# KiCad board solderCurved.kicad_pcb (continued)
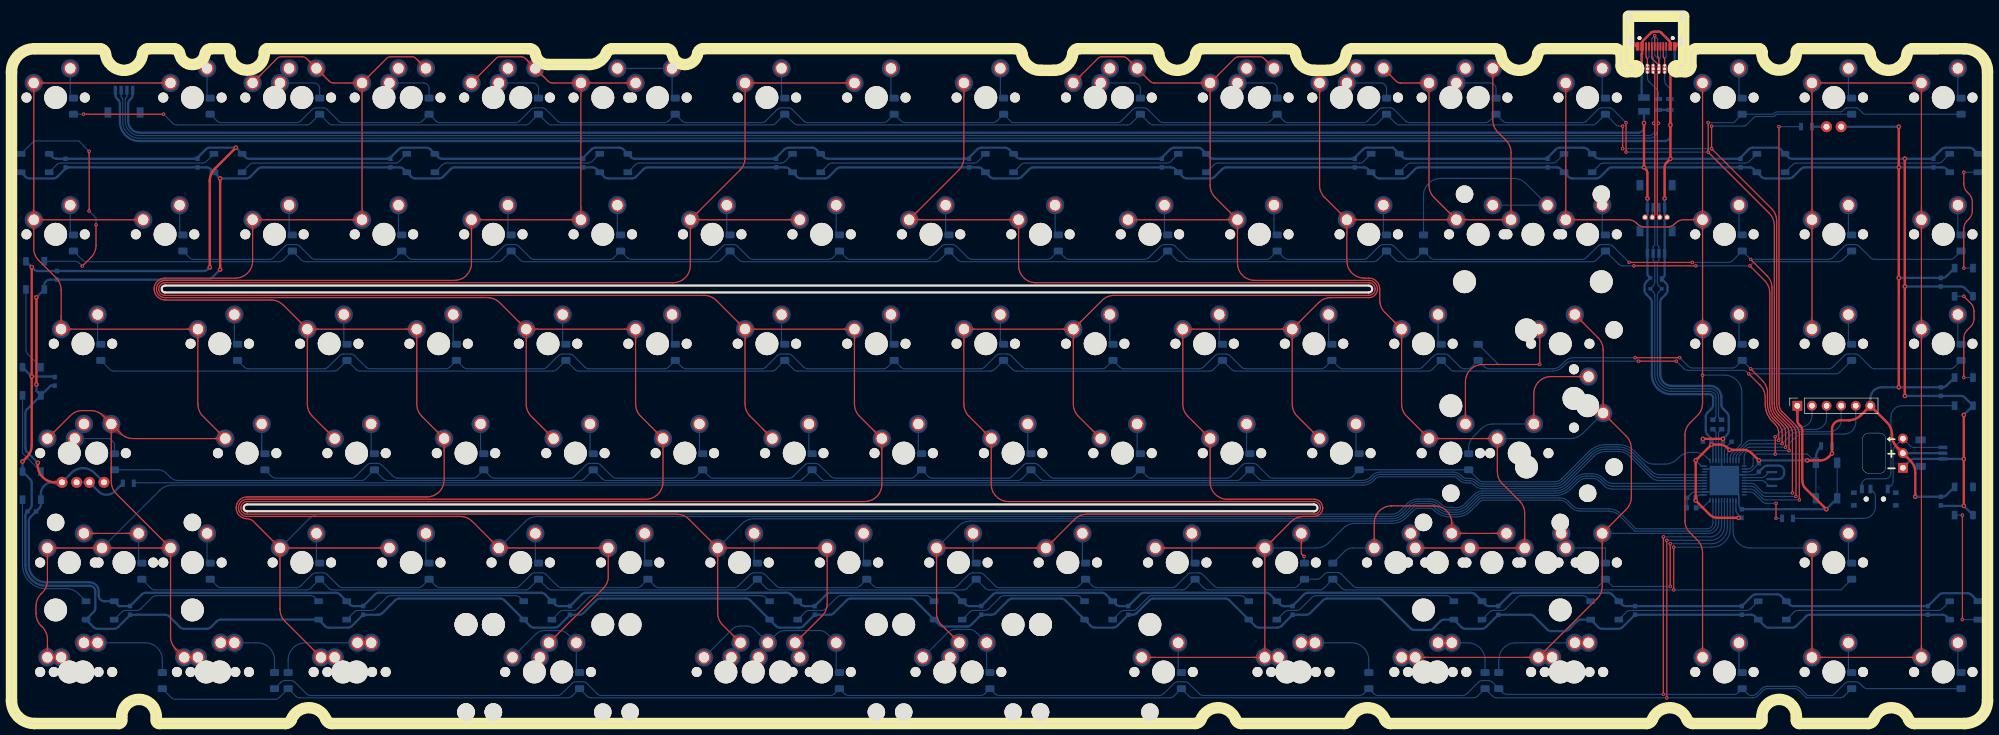
[diagram p0: board, top side]
## Copper pours and planes (outline as drawn; the poured copper is in the pictures) (continued)
GND on Top: 282.83,118.25 282.46,118.97 281.81,118.99 281.83,118.34 282.55,117.97
GND on Top: 281.79,119.8 281.54,119.03 281.99,118.56 282.44,119.03 282.19,119.8
GND on Bottom: 54.3,17.53 53.93,18.25 53.28,18.27 53.29,17.62 54.02,17.25
GND on Bottom: 141.91,98.56 141.34,99.34 140.69,99.36 140.73,98.7 141.8,98.18
GND on Bottom: 39.3,99.74 39.67,99.02 40.32,99 40.3,99.65 39.58,100.02
GND on Bottom: 290.07,117.97 290.79,118.34 290.81,118.99 290.16,118.97 289.79,118.25
GND on Bottom: 290.83,122 291.08,122.77 290.63,123.24 290.18,122.77 290.43,122
GND on Bottom: 273.92,17.89 274.7,17.64 275.16,18.09 274.7,18.54 273.92,18.29
GND on Bottom: 309.79,98.56 309.22,99.34 308.57,99.36 308.61,98.7 309.68,98.18
GND on Bottom: 293.87,40.19 294.08,40.19 294.28,40.18 294.47,40.17 294.65,40.17 294.81,40.15 294.97,40.14 295.12,40.12 295.26,40.11 295.4,40.09 295.53,40.07 295.65,40.05 295.77,40.03 296.46,39.9 296.58,39.87 296.7,39.85 296.82,39.83 296.94,39.82 297.07,39.8 297.21,39.78 297.35,39.77 297.5,39.76 297.66,39.75 297.83,39.74 298.01,39.74 298.2,39.74 299.11,43.22 295.77,43.16 295.72,43.02 295.68,42.88 295.64,42.74 295.6,42.6 295.57,42.47 295.54,42.34 295.46,41.95 295.43,41.83 295.4,41.71 295.37,41.59 295.33,41.48 295.3,41.37 295.26,41.27 295.22,41.17 295.17,41.08 295.12,40.99 295.06,40.91 294.99,40.83 294.92,40.76 294.84,40.69 294.75,40.64 294.66,40.59 294.55,40.54 294.44,40.5 294.32,40.48 294.18,40.45 294.03,40.44 293.87,40.44
GND on Bottom: 276.21,98.56 275.64,99.34 275,99.36 275.03,98.7 276.1,98.18
GND on Bottom: 282.19,122 282.44,122.77 281.99,123.24 281.54,122.77 281.79,122
GND on Bottom: 140.03,99.74 140.4,99.02 141.05,99 141.03,99.65 140.31,100.02
GND on Bottom: 131.13,18.65 131.5,17.93 132.15,17.91 132.13,18.56 131.41,18.93
GND on Bottom: 214.54,18.65 214.91,17.93 215.56,17.91 215.55,18.56 214.82,18.93
GND on Bottom: 173.6,99.74 173.97,99.02 174.62,99 174.61,99.65 173.89,100.02
GND on Bottom: 330.33,45.87 330.28,45.82 330.23,45.78 330.18,45.74 330.14,45.7 330.09,45.67 330.05,45.64 330.01,45.61 329,45.34 328.97,44.23 330.08,44.26 330.35,45.27 330.38,45.31 330.41,45.35 330.44,45.4 330.48,45.44 330.52,45.49 330.56,45.54 330.61,45.59
GND on Bottom: 341.48,99.74 341.85,99.02 342.5,99 342.49,99.65 341.77,100.02
GND on Bottom: 7.6,98.56 7.04,99.34 6.39,99.36 6.42,98.7 7.49,98.18
GND on Bottom: 132.81,17.53 132.44,18.25 131.79,18.27 131.81,17.62 132.53,17.25
GND on Bottom: 304.93,17.53 304.56,18.25 303.91,18.27 303.92,17.62 304.64,17.25
GND on Bottom: 242.64,98.56 242.07,99.34 241.42,99.36 241.46,98.7 242.52,98.18
GND on Bottom: 317.2,38.3 318.01,38.69 318.02,39.41 317.31,39.39 316.92,38.58
GND on Bottom: 106.45,99.74 106.82,99.02 107.47,99 107.46,99.65 106.73,100.02
GND on Bottom: 307.91,99.74 308.28,99.02 308.93,99 308.91,99.65 308.19,100.02
GND on Bottom: 281.79,119.8 281.54,119.03 281.99,118.56 282.44,119.03 282.19,119.8
GND on Bottom: 297.57,47.42 297.57,47.18 297.56,46.97 297.54,46.76 297.51,46.57 297.47,46.39 297.43,46.23 297.39,46.07 297.33,45.92 297.27,45.79 297.21,45.65 297.15,45.53 297.07,45.41 297,45.29 296.92,45.18 296.85,45.07 296.77,44.96 296.6,44.74 296.52,44.63 296.43,44.51 296.35,44.39 296.27,44.27 296.19,44.14 296.11,44 296.04,43.85 295.96,43.7 295.89,43.53 295.83,43.35 295.77,43.17 295.71,42.96 298.45,41.05 300.25,43.86 300.14,44.01 300.02,44.15 299.9,44.28 299.79,44.4 299.67,44.51 299.56,44.62 299.44,44.72 299.33,44.81 299.22,44.9 298.9,45.16 298.8,45.24 298.7,45.32 298.6,45.41 298.51,45.5 298.43,45.59 298.35,45.68 298.27,45.78 298.2,45.88 298.13,45.99 298.07,46.11 298.01,46.23 297.97,46.37 297.92,46.51 297.89,46.67 297.86,46.84 297.84,47.02 297.83,47.21 297.82,47.42
GND on Bottom: 303.04,18.71 303.61,17.93 304.26,17.91 304.22,18.57 303.16,19.09
GND on Bottom: 209.06,98.56 208.49,99.34 207.84,99.36 207.88,98.7 208.95,98.18
GND on Bottom: 290.07,117.97 290.79,118.34 290.81,118.99 290.16,118.97 289.79,118.25
GND on Bottom: 340.63,55.9 341,55.18 341.65,55.16 341.64,55.81 340.91,56.18
GND on Bottom: 216.22,17.53 215.85,18.25 215.21,18.27 215.22,17.62 215.94,17.25
GND on Bottom: 3.36,79.92 2.99,80.64 2.34,80.66 2.35,80.01 3.07,79.64
GND on Bottom: 90.02,17.53 89.65,18.25 89,18.27 89.01,17.62 89.73,17.25
GND on Bottom: 282.98,123.19 282.21,123.44 281.74,122.99 282.21,122.54 282.98,122.79
GND on Bottom: 275.75,17.53 275.39,18.25 274.74,18.27 274.75,17.62 275.47,17.25
GND on Bottom: 340.91,54.5 341.64,54.87 341.65,55.52 341,55.5 340.63,54.78
GND on Bottom: 251.94,17.53 251.57,18.25 250.92,18.27 250.94,17.62 251.66,17.25
GND on Bottom: 294.76,44.19 294.84,44.18 294.91,44.18 294.98,44.16 295.05,44.14 295.11,44.12 295.17,44.09 295.23,44.06 295.28,44.02 295.33,43.98 295.38,43.94 295.42,43.9 295.46,43.85 295.49,43.8 295.53,43.75 295.56,43.69 295.59,43.64 295.61,43.58 295.63,43.52 295.65,43.47 295.67,43.41 295.68,43.35 295.69,43.3 295.7,43.24 295.71,43.19 295.71,43.14 295.71,43.09 295.71,43.04 295.71,42.99 295.7,42.95 295.69,42.91 299.11,41.4 297.6,44.82 296.28,44.54 296.18,44.52 296.08,44.51 295.98,44.5 295.88,44.49 295.77,44.48 295.66,44.47 295.54,44.46 295.42,44.45 295.3,44.45 295.17,44.44 295.04,44.44 294.9,44.44 294.76,44.44
GND on Bottom: 13.82,17.53 13.45,18.25 12.8,18.27 12.81,17.62 13.53,17.25
GND on Bottom: 159.77,18.65 160.14,17.93 160.79,17.91 160.78,18.56 160.05,18.93
GND on Bottom: 1.72,44.86 1.47,44.09 1.92,43.62 2.37,44.09 2.12,44.86
GND on Bottom: 281.79,119.8 281.54,119.03 281.99,118.56 282.44,119.03 282.19,119.8
GND on Bottom: 74.76,98.56 74.19,99.34 73.54,99.36 73.58,98.7 74.64,98.18
GND on Bottom: 274.33,99.74 274.7,99.02 275.35,99 275.34,99.65 274.61,100.02
GND on Bottom: 13.53,18.93 12.81,18.56 12.8,17.91 13.45,17.93 13.82,18.65
GND on Bottom: 240.76,99.74 241.12,99.02 241.77,99 241.76,99.65 241.04,100.02
GND on Bottom: 290.43,119.8 290.18,119.03 290.63,118.56 291.08,119.03 290.83,119.8
GND on Bottom: 161.45,17.53 161.09,18.25 160.44,18.27 160.45,17.62 161.17,17.25
GND on Bottom: 340.63,36.85 341,36.13 341.65,36.11 341.64,36.76 340.91,37.13
GND on Bottom: 317.73,40.3 317.33,39.45 317.83,38.94 318.32,39.45 317.93,40.3
GND on Bottom: 250.11,17.89 250.88,17.64 251.35,18.09 250.88,18.54 250.11,18.29
GND on Bottom: 185.97,18.65 186.33,17.93 186.98,17.91 186.97,18.56 186.25,18.93
GND on Bottom: 175.48,98.56 174.92,99.34 174.27,99.36 174.3,98.7 175.37,98.18
GND on Bottom: 290.43,119.8 290.18,119.03 290.63,118.56 291.08,119.03 290.83,119.8
GND on Bottom: 340.63,74.95 341,74.23 341.65,74.21 341.64,74.86 340.91,75.23
GND on Bottom: 317.93,44.32 318.32,45.17 317.83,45.69 317.33,45.17 317.73,44.32
GND on Bottom: 336.38,18.71 336.95,17.93 337.6,17.91 337.56,18.57 336.49,19.09
GND on Bottom: 52.47,17.89 53.24,17.64 53.71,18.09 53.24,18.54 52.47,18.29
GND on Bottom: 289.64,122.79 290.41,122.54 290.88,122.99 290.41,123.44 289.64,123.19
GND on Bottom: 2.76,43.31 2.39,44.03 1.74,44.05 1.76,43.4 2.48,43.03
GND on Bottom: 289.64,122.79 290.41,122.54 290.88,122.99 290.41,123.44 289.64,123.19
GND on Bottom: 88.33,18.65 88.7,17.93 89.35,17.91 89.34,18.56 88.62,18.93
GND on Bottom: 282.83,118.25 282.46,118.97 281.81,118.99 281.83,118.34 282.55,117.97
GND on Bottom: 282.83,118.25 282.46,118.97 281.81,118.99 281.83,118.34 282.55,117.97
GND on Bottom: 290.83,122 291.08,122.77 290.63,123.24 290.18,122.77 290.43,122
GND on Bottom: 207.18,99.74 207.55,99.02 208.2,99 208.18,99.65 207.46,100.02
GND on Bottom: 41.18,98.56 40.61,99.34 39.96,99.36 40,98.7 41.07,98.18
GND on Bottom: 2.76,61.47 2.39,62.19 1.74,62.2 1.76,61.55 2.48,61.18
GND on Bottom: 72.88,99.74 73.24,99.02 73.89,99 73.88,99.65 73.16,100.02
GND on Bottom: 282.19,122 282.44,122.77 281.99,123.24 281.54,122.77 281.79,122
GND on Bottom: 282.98,123.19 282.21,123.44 281.74,122.99 282.21,122.54 282.98,122.79
GND on Bottom: 303.15,43.44 302.91,43.44 302.68,43.45 302.47,43.47 302.27,43.5 302.08,43.54 301.9,43.58 301.74,43.62 301.58,43.67 301.43,43.73 301.29,43.79 301.15,43.85 301.02,43.91 300.89,43.98 300.77,44.05 300.64,44.12 300.4,44.25 300.28,44.32 300.15,44.39 300.03,44.46 299.89,44.52 299.75,44.58 299.61,44.63 299.46,44.69 299.3,44.73 299.13,44.78 298.95,44.81 298.76,44.84 298.55,44.87 298.34,44.88 297.01,41.81 300.13,40.61 300.24,40.74 300.35,40.88 300.45,41.01 300.54,41.14 300.63,41.26 300.71,41.39 300.78,41.51 300.86,41.64 301.06,41.98 301.13,42.09 301.2,42.2 301.27,42.3 301.34,42.4 301.41,42.49 301.49,42.58 301.57,42.66 301.66,42.74 301.75,42.82 301.85,42.88 301.95,42.94 302.07,43 302.19,43.05 302.32,43.09 302.46,43.12 302.62,43.15 302.78,43.17 302.96,43.18 303.15,43.19
GND on Bottom: 187.65,17.53 187.28,18.25 186.63,18.27 186.64,17.62 187.37,17.25
GND on Bottom: 108.33,98.56 107.76,99.34 107.12,99.36 107.15,98.7 108.22,98.18
GND on Bottom: 302.44,37.76 302.29,37.54 302.16,37.38 302.04,37.26 301.93,37.19 301.83,37.16 301.74,37.16 301.66,37.21 301.59,37.29 301.53,37.41 301.48,37.55 301.43,37.73 301.38,37.93 301.34,38.15 301.31,38.39 301.27,38.65 301.24,38.93 301.22,39.22 301.19,39.52 301.13,40.15 301.1,40.48 301.07,40.8 301.03,41.12 300.99,41.44 300.95,41.75 300.9,42.06 300.84,42.36 300.78,42.64 300.71,42.91 300.63,43.16 297.29,43.22 300.37,40.93 300.47,41.06 300.56,41.13 300.64,41.16 300.72,41.15 300.8,41.09 300.88,41.01 300.95,40.89 301.02,40.74 301.09,40.56 301.15,40.37 301.22,40.16 301.28,39.93 301.34,39.7 301.4,39.45 301.47,39.21 301.53,38.96 301.59,38.72 301.66,38.49 301.73,38.27 301.79,38.06 301.86,37.88 301.94,37.71 302.01,37.57 302.09,37.46 302.17,37.38 302.26,37.34 302.35,37.34 302.44,37.39 302.54,37.48 302.65,37.62
Col0 on Top: 25.3,111.43 25.4,111.43 25.5,111.42 25.58,111.41 25.67,111.4 25.74,111.38 25.82,111.36 25.88,111.34 25.95,111.32 26.01,111.29 26.06,111.26 26.12,111.23 26.17,111.2 26.22,111.17 26.26,111.13 26.69,110.75 26.75,110.71 26.81,110.66 26.87,110.62 26.94,110.57 27.01,110.53 27.08,110.49 27.17,110.45 28.29,111.53 27.17,112.61 27.08,112.57 27.01,112.52 26.94,112.48 26.87,112.44 26.81,112.39 26.75,112.35 26.69,112.3 26.26,111.93 26.22,111.89 26.17,111.85 26.12,111.82 26.06,111.79 26.01,111.76 25.95,111.73 25.88,111.71 25.82,111.69 25.74,111.67 25.67,111.66 25.58,111.64 25.5,111.63 25.4,111.63 25.3,111.63
Col0 on Top: 17.47,49.76 17.47,49.87 17.48,49.96 17.49,50.05 17.5,50.13 17.51,50.21 17.53,50.28 17.55,50.35 17.58,50.41 17.6,50.47 17.63,50.53 17.66,50.58 17.7,50.63 17.73,50.68 17.77,50.73 18.15,51.16 18.19,51.21 18.24,51.27 18.28,51.34 18.32,51.4 18.37,51.47 18.41,51.55 18.45,51.63 17.37,52.75 16.29,51.63 16.33,51.55 16.37,51.47 16.42,51.4 16.46,51.34 16.51,51.27 16.55,51.21 16.59,51.16 16.97,50.73 17.01,50.68 17.04,50.63 17.08,50.58 17.11,50.53 17.14,50.47 17.16,50.41 17.19,50.35 17.21,50.28 17.23,50.21 17.24,50.13 17.25,50.05 17.26,49.96 17.27,49.87 17.27,49.76
Col0 on Top: 20.06,49.93 19.93,49.99 19.8,50.04 19.69,50.11 19.58,50.17 19.49,50.23 19.4,50.3 19.32,50.36 19.25,50.43 19.19,50.5 19.13,50.58 19.08,50.65 19.03,50.73 18.99,50.81 18.95,50.89 18.92,50.97 18.89,51.06 18.86,51.15 18.84,51.24 18.81,51.33 18.79,51.43 18.7,51.84 18.68,51.95 18.65,52.06 18.62,52.18 18.58,52.3 18.55,52.42 18.5,52.55 16.95,52.58 16.98,51.02 17.11,50.97 17.24,50.93 17.35,50.89 17.47,50.84 19.57,49.91 19.7,49.86 19.84,49.8 19.99,49.74
Col0 on Top: 6.16,13.9 6.16,13.8 6.15,13.71 6.14,13.62 6.13,13.54 6.11,13.46 6.1,13.39 6.07,13.32 6.05,13.26 6.02,13.2 5.99,13.14 5.96,13.09 5.93,13.04 5.9,12.99 5.86,12.94 5.48,12.51 5.44,12.46 5.39,12.4 5.35,12.33 5.3,12.27 5.26,12.2 5.22,12.12 5.18,12.04 6.26,10.91 7.34,12.04 7.3,12.12 7.25,12.2 7.21,12.27 7.17,12.33 7.12,12.4 7.08,12.46 7.03,12.51 6.66,12.94 6.62,12.99 6.58,13.04 6.55,13.09 6.52,13.14 6.49,13.2 6.47,13.26 6.44,13.32 6.42,13.39 6.4,13.46 6.39,13.54 6.37,13.62 6.37,13.71 6.36,13.8 6.36,13.9
Col0 on Top: 25.3,30.46 25.4,30.46 25.5,30.46 25.58,30.45 25.67,30.44 25.74,30.42 25.82,30.4 25.88,30.38 25.95,30.36 26.01,30.33 26.06,30.3 26.12,30.27 26.17,30.24 26.22,30.2 26.26,30.17 26.69,29.79 26.75,29.74 26.81,29.7 26.87,29.66 26.94,29.61 27.01,29.57 27.08,29.53 27.17,29.48 28.29,30.56 27.17,31.64 27.08,31.6 27.01,31.56 26.94,31.52 26.87,31.47 26.81,31.43 26.75,31.39 26.69,31.34 26.26,30.96 26.22,30.93 26.17,30.89 26.12,30.86 26.06,30.83 26.01,30.8 25.95,30.77 25.88,30.75 25.82,30.73 25.74,30.71 25.67,30.69 25.58,30.68 25.5,30.67 25.4,30.67 25.3,30.66
Col0 on Top: 3.98,85.32 3.98,85.43 3.98,85.52 3.99,85.61 4.01,85.69 4.02,85.77 4.04,85.84 4.06,85.91 4.08,85.97 4.11,86.03 4.14,86.09 4.17,86.14 4.2,86.19 4.24,86.24 4.27,86.29 4.65,86.72 4.7,86.77 4.74,86.83 4.79,86.9 4.83,86.96 4.87,87.03 4.92,87.11 4.96,87.19 3.88,88.31 2.8,87.19 2.84,87.11 2.88,87.03 2.92,86.96 2.97,86.9 3.01,86.83 3.06,86.77 3.1,86.72 3.48,86.29 3.51,86.24 3.55,86.19 3.58,86.14 3.61,86.09 3.64,86.03 3.67,85.97 3.69,85.91 3.71,85.84 3.73,85.77 3.75,85.69 3.76,85.61 3.77,85.52 3.77,85.43 3.78,85.32
Col0 on Top: 34.82,49.51 34.93,49.51 35.02,49.51 35.11,49.5 35.19,49.49 35.27,49.47 35.34,49.45 35.41,49.43 35.47,49.41 35.53,49.38 35.59,49.35 35.64,49.32 35.69,49.29 35.74,49.25 35.79,49.22 36.22,48.84 36.27,48.79 36.33,48.75 36.4,48.71 36.46,48.66 36.53,48.62 36.61,48.58 36.69,48.53 37.81,49.61 36.69,50.69 36.61,50.65 36.53,50.61 36.46,50.57 36.4,50.52 36.33,50.48 36.27,50.44 36.22,50.39 35.79,50.01 35.74,49.98 35.69,49.94 35.64,49.91 35.59,49.88 35.53,49.85 35.47,49.82 35.41,49.8 35.34,49.78 35.27,49.76 35.19,49.74 35.11,49.73 35.02,49.72 34.93,49.72 34.82,49.71
Col0 on Top: 27.79,28.17 27.79,28.28 27.8,28.37 27.81,28.46 27.82,28.54 27.83,28.62 27.85,28.69 27.87,28.76 27.9,28.82 27.92,28.88 27.95,28.94 27.98,28.99 28.02,29.04 28.05,29.09 28.09,29.14 28.47,29.57 28.51,29.62 28.55,29.68 28.6,29.75 28.64,29.81 28.69,29.88 28.73,29.96 28.77,30.04 27.69,31.16 26.61,30.04 26.65,29.96 26.69,29.88 26.74,29.81 26.78,29.75 26.82,29.68 26.87,29.62 26.91,29.57 27.29,29.14 27.33,29.09 27.36,29.04 27.39,28.99 27.43,28.94 27.45,28.88 27.48,28.82 27.51,28.76 27.53,28.69 27.54,28.62 27.56,28.54 27.57,28.46 27.58,28.37 27.59,28.28 27.59,28.17
Col0 on Top: 18.17,30.66 18.07,30.67 17.98,30.67 17.89,30.68 17.8,30.69 17.73,30.71 17.65,30.73 17.59,30.75 17.52,30.77 17.46,30.8 17.41,30.83 17.35,30.86 17.3,30.89 17.25,30.93 17.21,30.96 16.78,31.34 16.72,31.39 16.66,31.43 16.6,31.47 16.54,31.52 16.46,31.56 16.39,31.6 16.31,31.64 15.18,30.56 16.31,29.48 16.39,29.53 16.46,29.57 16.54,29.61 16.6,29.66 16.66,29.7 16.72,29.74 16.78,29.79 17.21,30.17 17.25,30.2 17.3,30.24 17.35,30.27 17.41,30.3 17.46,30.33 17.52,30.36 17.59,30.38 17.65,30.4 17.73,30.42 17.8,30.44 17.89,30.45 17.98,30.46 18.07,30.46 18.17,30.46
Col0 on Top: 8.65,30.66 8.55,30.67 8.45,30.67 8.36,30.68 8.28,30.69 8.2,30.71 8.13,30.73 8.06,30.75 8,30.77 7.94,30.8 7.88,30.83 7.83,30.86 7.78,30.89 7.73,30.93 7.68,30.96 7.25,31.34 7.2,31.39 7.14,31.43 7.08,31.47 7.01,31.52 6.94,31.56 6.86,31.6 6.78,31.64 5.66,30.56 6.78,29.48 6.86,29.53 6.94,29.57 7.01,29.61 7.08,29.66 7.14,29.7 7.2,29.74 7.25,29.79 7.68,30.17 7.73,30.2 7.78,30.24 7.83,30.27 7.88,30.3 7.94,30.33 8,30.36 8.06,30.38 8.13,30.4 8.2,30.42 8.28,30.44 8.36,30.45 8.45,30.46 8.55,30.46 8.65,30.46
Col0 on Top: 14.88,54.18 15.01,54.12 15.12,54.07 15.22,54.01 15.31,53.96 15.4,53.9 15.48,53.84 15.55,53.78 15.61,53.71 15.66,53.65 15.71,53.58 15.76,53.51 15.8,53.44 15.83,53.36 15.86,53.29 15.89,53.21 15.91,53.13 15.93,53.05 15.95,52.96 15.97,52.88 16.06,52.41 16.08,52.31 16.11,52.2 16.14,52.1 16.16,51.99 16.2,51.88 16.24,51.76 17.79,51.73 17.76,53.29 14.96,54.36
Col0 on Top: 27.82,13.97 28.94,11.12 30.49,11.09 30.46,12.65 30.35,12.69 30.23,12.72 30.12,12.75 30.01,12.78 29.9,12.8 29.8,12.83 29.32,12.92 29.24,12.94 29.15,12.96 29.07,12.99 28.99,13.01 28.91,13.04 28.83,13.07 28.76,13.11 28.68,13.15 28.61,13.19 28.54,13.25 28.48,13.3 28.41,13.37 28.35,13.44 28.29,13.52 28.23,13.6 28.17,13.7 28.11,13.81 28.06,13.92 28,14.05
Col0 on Top: 11.03,68.76 10.93,68.77 10.83,68.77 10.74,68.78 10.66,68.79 10.58,68.81 10.51,68.83 10.44,68.85 10.38,68.87 10.32,68.9 10.26,68.93 10.21,68.96 10.16,68.99 10.11,69.03 10.06,69.06 9.64,69.44 9.58,69.49 9.52,69.53 9.46,69.57 9.39,69.62 9.32,69.66 9.24,69.7 9.16,69.74 8.04,68.66 9.16,67.58 9.24,67.63 9.32,67.67 9.39,67.71 9.46,67.76 9.52,67.8 9.58,67.84 9.64,67.89 10.06,68.27 10.11,68.3 10.16,68.34 10.21,68.37 10.26,68.4 10.32,68.43 10.38,68.46 10.44,68.48 10.51,68.5 10.58,68.52 10.66,68.54 10.74,68.55 10.83,68.56 10.93,68.56 11.03,68.56
Col0 on Top: 7.88,51.38 7.8,51.3 7.73,51.24 7.66,51.18 7.6,51.13 7.53,51.09 7.47,51.05 7.4,51.02 7.34,50.99 7.28,50.97 7.22,50.95 7.16,50.93 7.1,50.92 7.04,50.91 6.98,50.9 6.41,50.87 6.34,50.86 6.27,50.85 6.19,50.84 6.12,50.82 6.03,50.8 5.95,50.78 5.86,50.75 5.83,49.19 7.39,49.22 7.42,49.31 7.44,49.39 7.46,49.47 7.48,49.55 7.49,49.63 7.5,49.7 7.51,49.77 7.55,50.34 7.55,50.4 7.56,50.46 7.58,50.52 7.59,50.58 7.61,50.64 7.64,50.7 7.66,50.76 7.7,50.82 7.73,50.89 7.78,50.95 7.83,51.02 7.88,51.09 7.95,51.16 8.02,51.23
Col0 on Top: 6.36,28.17 6.36,28.28 6.37,28.37 6.37,28.46 6.39,28.54 6.4,28.62 6.42,28.69 6.44,28.76 6.47,28.82 6.49,28.88 6.52,28.94 6.55,28.99 6.58,29.04 6.62,29.09 6.66,29.14 7.03,29.57 7.08,29.62 7.12,29.68 7.17,29.75 7.21,29.81 7.25,29.88 7.3,29.96 7.34,30.04 6.26,31.16 5.18,30.04 5.22,29.96 5.26,29.88 5.3,29.81 5.35,29.75 5.39,29.68 5.44,29.62 5.48,29.57 5.86,29.14 5.9,29.09 5.93,29.04 5.96,28.99 5.99,28.94 6.02,28.88 6.05,28.82 6.07,28.76 6.1,28.69 6.11,28.62 6.13,28.54 6.14,28.46 6.15,28.37 6.16,28.28 6.16,28.17
Col0 on Top: 3.78,90.1 3.77,90 3.77,89.91 3.76,89.82 3.75,89.74 3.73,89.66 3.71,89.59 3.69,89.52 3.67,89.46 3.64,89.4 3.61,89.34 3.58,89.29 3.55,89.24 3.51,89.19 3.48,89.14 3.1,88.71 3.06,88.66 3.01,88.6 2.97,88.53 2.92,88.47 2.88,88.4 2.84,88.32 2.8,88.24 3.88,87.11 4.96,88.24 4.92,88.32 4.87,88.4 4.83,88.47 4.79,88.53 4.74,88.6 4.7,88.66 4.65,88.71 4.27,89.14 4.24,89.19 4.2,89.24 4.17,89.29 4.14,89.34 4.11,89.4 4.08,89.46 4.06,89.52 4.04,89.59 4.02,89.66 4.01,89.74 3.99,89.82 3.98,89.91 3.98,90 3.98,90.1
Col0 on Top: 6.27,111.63 6.16,111.63 6.07,111.63 5.98,111.64 5.9,111.66 5.82,111.67 5.75,111.69 5.68,111.71 5.62,111.73 5.56,111.76 5.5,111.79 5.45,111.82 5.4,111.85 5.35,111.89 5.3,111.93 4.87,112.3 4.82,112.35 4.76,112.39 4.7,112.44 4.63,112.48 4.56,112.52 4.48,112.57 4.4,112.61 3.28,111.53 4.4,110.45 4.48,110.49 4.56,110.53 4.63,110.57 4.7,110.62 4.76,110.66 4.82,110.71 4.87,110.75 5.3,111.13 5.35,111.17 5.4,111.2 5.45,111.23 5.5,111.26 5.56,111.29 5.62,111.32 5.68,111.34 5.75,111.36 5.82,111.38 5.9,111.4 5.98,111.41 6.07,111.42 6.16,111.43 6.27,111.43
Col0 on Top: 13.39,30.46 13.49,30.46 13.59,30.46 13.68,30.45 13.76,30.44 13.84,30.42 13.91,30.4 13.98,30.38 14.04,30.36 14.1,30.33 14.16,30.3 14.21,30.27 14.26,30.24 14.31,30.2 14.36,30.17 14.79,29.79 14.84,29.74 14.9,29.7 14.96,29.66 15.03,29.61 15.1,29.57 15.18,29.53 15.26,29.48 16.38,30.56 15.26,31.64 15.18,31.6 15.1,31.56 15.03,31.52 14.96,31.47 14.9,31.43 14.84,31.39 14.79,31.34 14.36,30.96 14.31,30.93 14.26,30.89 14.21,30.86 14.16,30.83 14.1,30.8 14.04,30.77 13.98,30.75 13.91,30.73 13.84,30.71 13.76,30.69 13.68,30.68 13.59,30.67 13.49,30.67 13.39,30.66
Col0 on Top: 6.27,87.81 6.16,87.82 6.07,87.82 5.98,87.83 5.9,87.84 5.82,87.86 5.75,87.88 5.68,87.9 5.62,87.92 5.56,87.95 5.5,87.98 5.45,88.01 5.4,88.04 5.35,88.08 5.3,88.11 4.87,88.49 4.82,88.54 4.76,88.58 4.7,88.62 4.63,88.67 4.56,88.71 4.48,88.75 4.4,88.79 3.28,87.71 4.4,86.63 4.48,86.68 4.56,86.72 4.63,86.76 4.7,86.81 4.76,86.85 4.82,86.89 4.87,86.94 5.3,87.32 5.35,87.35 5.4,87.39 5.45,87.42 5.5,87.45 5.56,87.48 5.62,87.51 5.68,87.53 5.75,87.55 5.82,87.57 5.9,87.59 5.98,87.6 6.07,87.61 6.16,87.61 6.27,87.61
Col0 on Top: 25.93,32.18 26,32.11 26.06,32.04 26.12,31.97 26.17,31.9 26.21,31.84 26.25,31.77 26.28,31.71 26.31,31.65 26.33,31.59 26.35,31.53 26.37,31.47 26.38,31.41 26.39,31.35 26.4,31.29 26.44,30.72 26.44,30.65 26.45,30.58 26.47,30.5 26.48,30.42 26.5,30.34 26.53,30.26 26.56,30.17 28.11,30.14 28.08,31.7 28,31.73 27.91,31.75 27.83,31.77 27.75,31.79 27.68,31.8 27.6,31.81 27.53,31.82 26.96,31.85 26.9,31.86 26.84,31.87 26.79,31.88 26.73,31.9 26.67,31.92 26.6,31.94 26.54,31.97 26.48,32 26.42,32.04 26.35,32.08 26.28,32.13 26.21,32.19 26.14,32.25 26.07,32.33
Col0 on Top: 32.55,66.27 32.55,66.38 32.56,66.47 32.57,66.56 32.58,66.64 32.6,66.72 32.61,66.79 32.64,66.86 32.66,66.92 32.69,66.98 32.71,67.04 32.75,67.09 32.78,67.14 32.81,67.19 32.85,67.24 33.23,67.67 33.27,67.72 33.32,67.78 33.36,67.85 33.4,67.91 33.45,67.98 33.49,68.06 33.53,68.14 32.45,69.26 31.37,68.14 31.41,68.06 31.46,67.98 31.5,67.91 31.54,67.85 31.59,67.78 31.63,67.72 31.68,67.67 32.05,67.24 32.09,67.19 32.12,67.14 32.16,67.09 32.19,67.04 32.22,66.98 32.24,66.92 32.27,66.86 32.29,66.79 32.31,66.72 32.32,66.64 32.34,66.56 32.34,66.47 32.35,66.38 32.35,66.27
Col0 on Top: 35.45,51.23 35.52,51.16 35.59,51.09 35.64,51.02 35.69,50.95 35.74,50.89 35.78,50.82 35.81,50.76 35.84,50.7 35.86,50.64 35.88,50.58 35.89,50.52 35.91,50.46 35.92,50.4 35.93,50.34 35.96,49.77 35.97,49.7 35.98,49.63 35.99,49.55 36.01,49.47 36.03,49.39 36.05,49.31 36.08,49.22 37.64,49.19 37.61,50.75 37.52,50.78 37.44,50.8 37.36,50.82 37.28,50.84 37.2,50.85 37.13,50.86 37.06,50.87 36.49,50.9 36.43,50.91 36.37,50.92 36.31,50.93 36.25,50.95 36.19,50.97 36.13,50.99 36.07,51.02 36.01,51.05 35.94,51.09 35.88,51.13 35.81,51.18 35.74,51.24 35.67,51.3 35.59,51.38
Col0 on Top: 30.06,68.56 30.16,68.56 30.26,68.56 30.35,68.55 30.43,68.54 30.51,68.52 30.58,68.5 30.65,68.48 30.71,68.46 30.77,68.43 30.83,68.4 30.88,68.37 30.93,68.34 30.98,68.3 31.03,68.27 31.46,67.89 31.51,67.84 31.57,67.8 31.63,67.76 31.7,67.71 31.77,67.67 31.85,67.63 31.93,67.58 33.05,68.66 31.93,69.74 31.85,69.7 31.77,69.66 31.7,69.62 31.63,69.57 31.57,69.53 31.51,69.49 31.46,69.44 31.03,69.06 30.98,69.03 30.93,68.99 30.88,68.96 30.83,68.93 30.77,68.9 30.71,68.87 30.65,68.85 30.58,68.83 30.51,68.81 30.43,68.79 30.35,68.78 30.26,68.77 30.16,68.77 30.06,68.76
Col0 on Top: 8.54,71.05 8.54,70.95 8.53,70.86 8.52,70.77 8.51,70.69 8.49,70.61 8.48,70.54 8.46,70.47 8.43,70.41 8.4,70.35 8.38,70.29 8.34,70.24 8.31,70.19 8.28,70.14 8.24,70.09 7.86,69.66 7.82,69.61 7.77,69.55 7.73,69.48 7.69,69.42 7.64,69.35 7.6,69.27 7.56,69.19 8.64,68.06 9.72,69.19 9.68,69.27 9.64,69.35 9.59,69.42 9.55,69.48 9.5,69.55 9.46,69.61 9.42,69.66 9.04,70.09 9,70.14 8.97,70.19 8.93,70.24 8.9,70.29 8.87,70.35 8.85,70.41 8.82,70.47 8.8,70.54 8.78,70.61 8.77,70.69 8.76,70.77 8.75,70.86 8.74,70.95 8.74,71.05
Col0 on Top: 3.98,109.14 3.98,109.24 3.98,109.33 3.99,109.42 4.01,109.51 4.02,109.58 4.04,109.65 4.06,109.72 4.08,109.79 4.11,109.85 4.14,109.9 4.17,109.96 4.2,110.01 4.24,110.06 4.27,110.1 4.65,110.53 4.7,110.59 4.74,110.65 4.79,110.71 4.83,110.77 4.87,110.85 4.92,110.92 4.96,111 3.88,112.13 2.8,111 2.84,110.92 2.88,110.85 2.92,110.77 2.97,110.71 3.01,110.65 3.06,110.59 3.1,110.53 3.48,110.1 3.51,110.06 3.55,110.01 3.58,109.96 3.61,109.9 3.64,109.85 3.67,109.79 3.69,109.72 3.71,109.65 3.73,109.58 3.75,109.51 3.76,109.42 3.77,109.33 3.77,109.24 3.78,109.14
Col0 on Top: 20.54,87.61 20.64,87.61 20.73,87.61 20.82,87.6 20.9,87.59 20.98,87.57 21.05,87.55 21.12,87.53 21.19,87.51 21.24,87.48 21.3,87.45 21.35,87.42 21.41,87.39 21.45,87.35 21.5,87.32 21.93,86.94 21.99,86.89 22.04,86.85 22.11,86.81 22.17,86.76 22.25,86.72 22.32,86.68 22.4,86.63 23.53,87.71 22.4,88.79 22.32,88.75 22.25,88.71 22.17,88.67 22.11,88.62 22.04,88.58 21.99,88.54 21.93,88.49 21.5,88.11 21.45,88.08 21.41,88.04 21.35,88.01 21.3,87.98 21.24,87.95 21.19,87.92 21.12,87.9 21.05,87.88 20.98,87.86 20.9,87.84 20.82,87.83 20.73,87.82 20.64,87.82 20.54,87.81
Col0 on Bottom: 17.4,32.33 17.33,32.25 17.26,32.19 17.19,32.13 17.12,32.08 17.06,32.04 16.99,32 16.93,31.97 16.87,31.94 16.81,31.92 16.75,31.9 16.69,31.88 16.63,31.87 16.57,31.86 16.51,31.85 15.94,31.82 15.87,31.81 15.79,31.8 15.72,31.79 15.64,31.77 15.56,31.75 15.48,31.73 15.39,31.7 15.36,30.14 16.92,30.17 16.94,30.26 16.97,30.34 16.99,30.42 17,30.5 17.02,30.58 17.03,30.65 17.04,30.72 17.07,31.29 17.08,31.35 17.09,31.41 17.1,31.47 17.12,31.53 17.14,31.59 17.16,31.65 17.19,31.71 17.22,31.77 17.26,31.84 17.3,31.9 17.35,31.97 17.41,32.04 17.47,32.11 17.54,32.18
Col0 on Bottom: 17.97,32.89 17.87,32.8 17.77,32.71 17.68,32.64 17.59,32.57 17.5,32.51 17.42,32.46 17.33,32.42 17.25,32.38 17.17,32.35 17.09,32.33 17.01,32.31 16.93,32.29 16.85,32.28 16.77,32.27 16.69,32.26 16.6,32.26 16.18,32.25 16.09,32.24 16,32.23 15.9,32.22 15.8,32.21 15.7,32.19 15.6,32.17 15.49,32.15 15.37,32.11 15.26,32.08 15.22,30 17.29,30.04 17.33,30.16 17.36,30.27 17.39,30.38 17.41,30.48 17.43,30.59 17.44,30.68 17.45,30.78 17.46,30.87 17.46,30.96 17.48,31.39 17.48,31.47 17.49,31.55 17.5,31.63 17.51,31.71 17.53,31.79 17.55,31.87 17.57,31.95 17.6,32.03 17.64,32.11 17.68,32.2 17.73,32.28 17.79,32.37 17.85,32.46 17.93,32.56 18.01,32.65 18.11,32.75
Col1 on Top: 49.13,30.66 49.03,30.67 48.93,30.67 48.84,30.68 48.76,30.69 48.68,30.71 48.61,30.73 48.54,30.75 48.48,30.77 48.42,30.8 48.36,30.83 48.31,30.86 48.26,30.89 48.21,30.93 48.16,30.96 47.74,31.34 47.68,31.39 47.62,31.43 47.56,31.47 47.49,31.52 47.42,31.56 47.34,31.6 47.26,31.64 46.14,30.56 47.26,29.48 47.34,29.53 47.42,29.57 47.49,29.61 47.56,29.66 47.62,29.7 47.68,29.74 47.74,29.79 48.16,30.17 48.21,30.2 48.26,30.24 48.31,30.27 48.36,30.3 48.42,30.33 48.48,30.36 48.54,30.38 48.61,30.4 48.68,30.42 48.76,30.44 48.84,30.45 48.93,30.46 49.03,30.46 49.13,30.46